# Altium PCB mantarray_beta2_sensor_arrayed.PcbDoc (part 10 of 14)
Units mil, origin at the board's own origin, x right, y up, seen from the top; angles counter-clockwise.
Board outline 6232.47 x 10167.51 mil, 8 copper layers (Layer1_Top, Layer2_sig1, Layer3_AVDD_PLANE, Layer4_GND_PLANE, Layer5_DVDD_PLANE, Layer6_BUS, Layer7_sig2, Layer8_BOT), stack 50.224 mil thick; 470 components, 492 nets, 4650 pads, 3798 vias.
Unrouted connection lines stored in the file: 3.
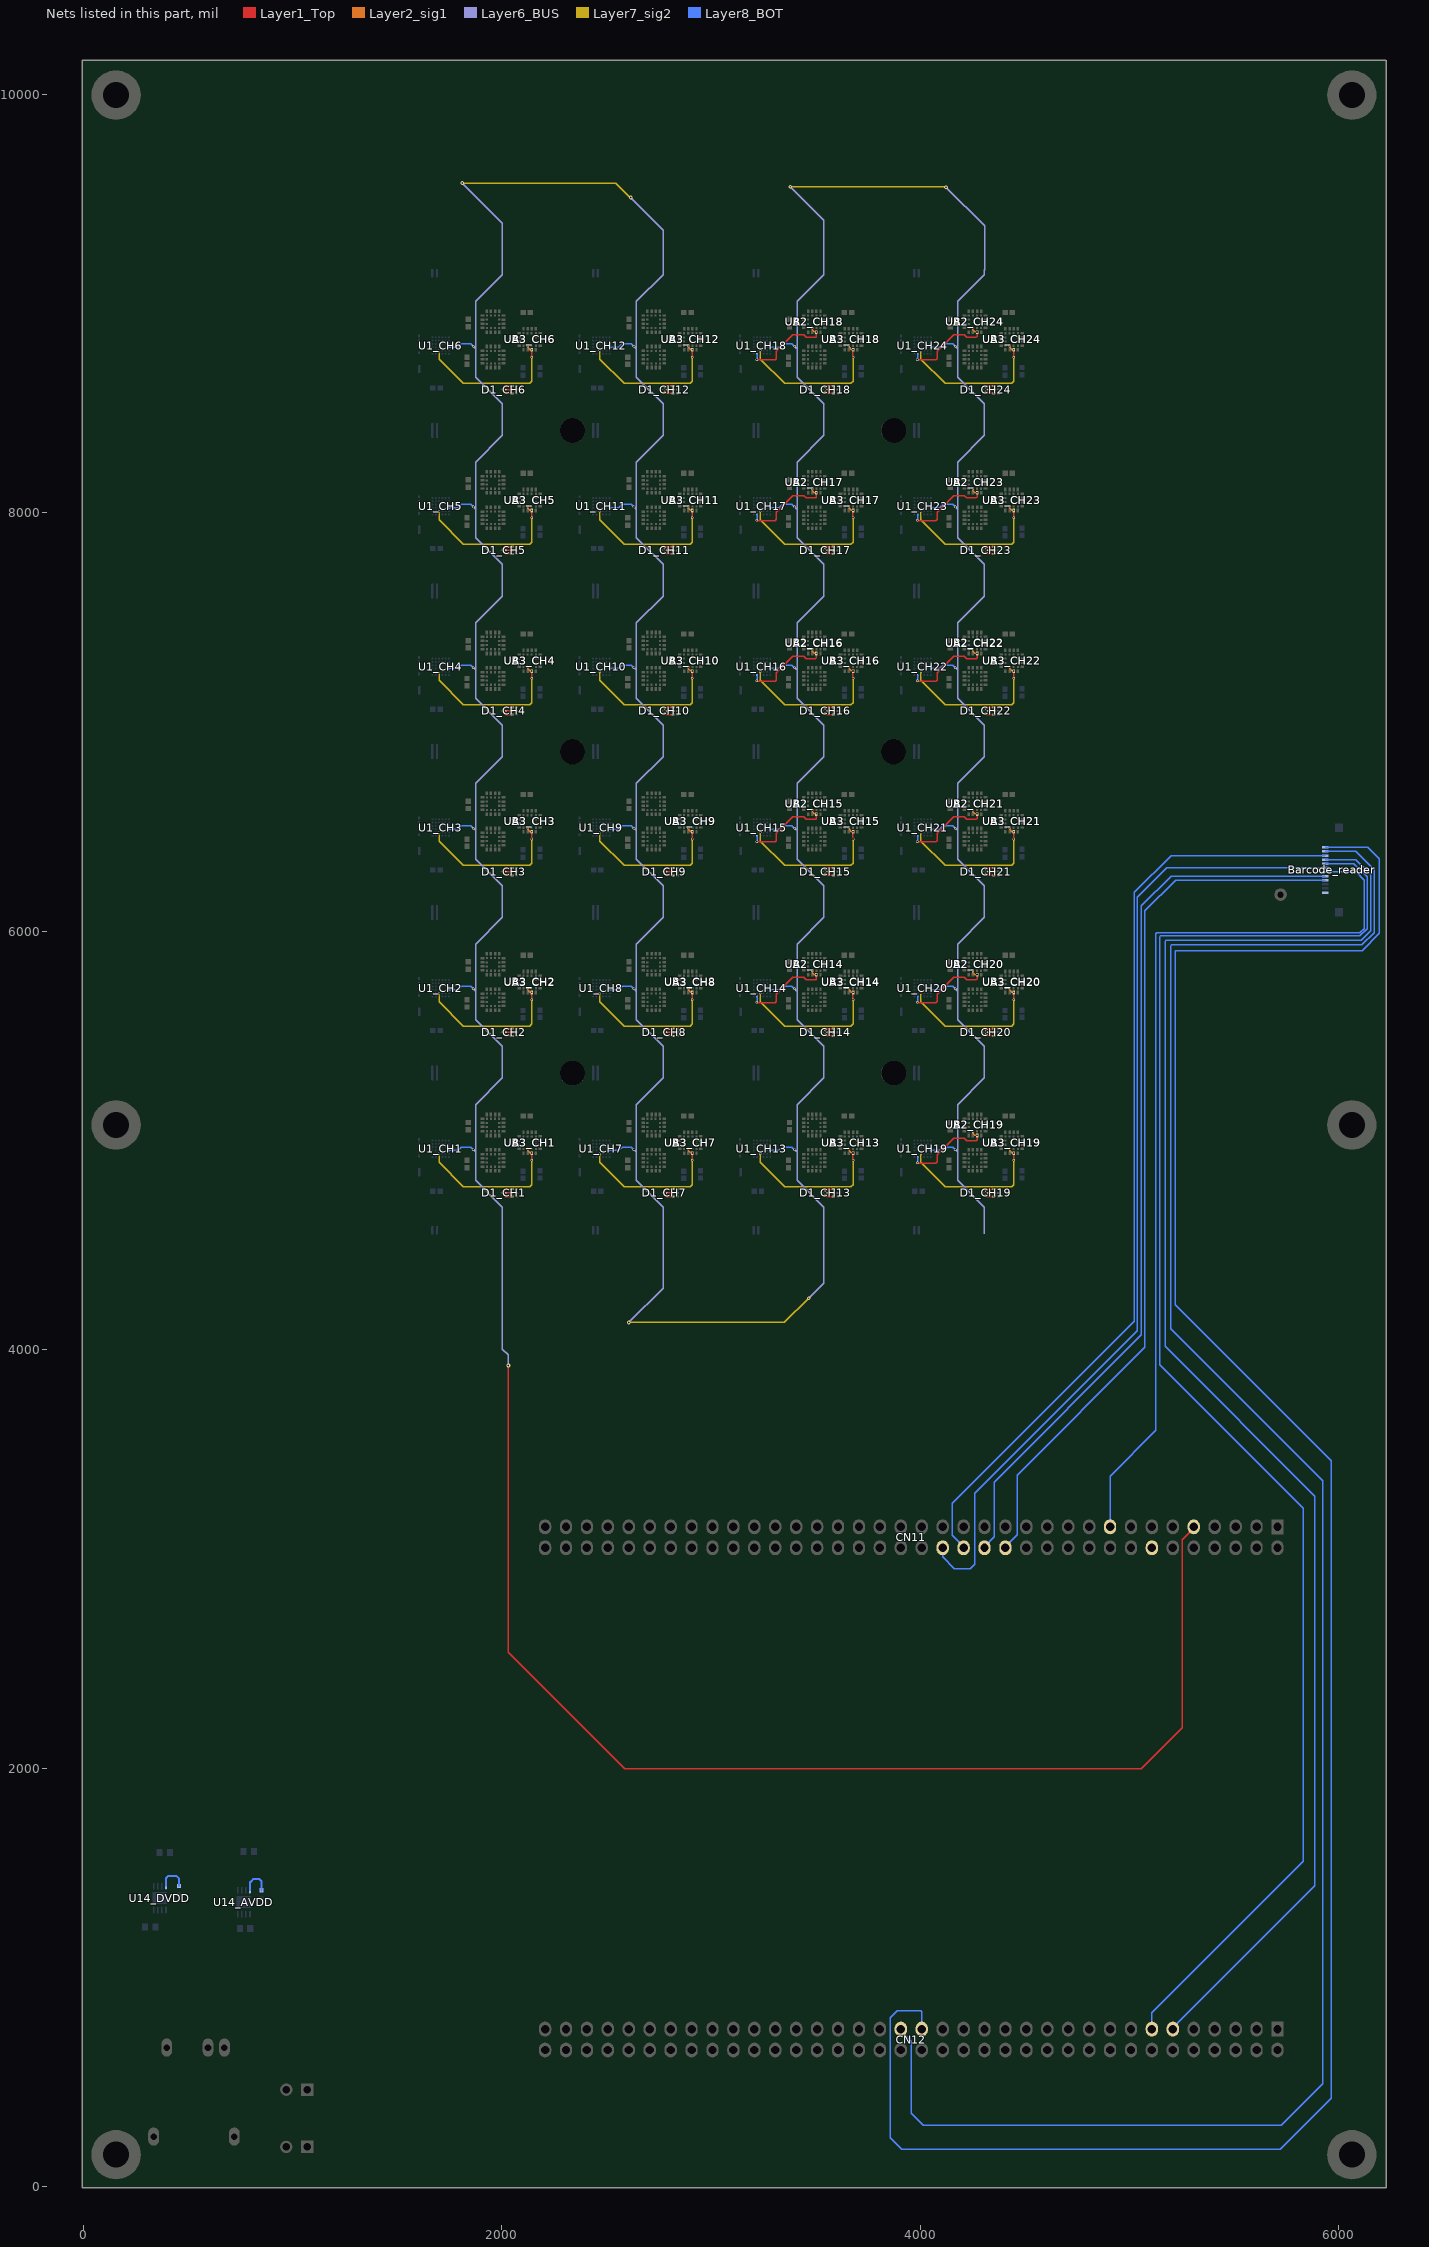
[diagram p16: the nets of this part, all layers, seen from the top]

## Via types
v1: diameter 12/12/12/12/12 (per signal layer), hole 7.87, Layer1_Top to Layer8_BOT, 2208 vias
v2: diameter 32, hole 20, Layer1_Top to Layer8_BOT, 815 vias
v3: diameter 10/10/10/10/10 (per signal layer), hole 7.87, Layer1_Top to Layer8_BOT, 456 vias
v4: diameter 18, hole 8, Layer6_BUS to Layer7_sig2, 102 vias
v5: diameter 10/10 (per signal layer), hole 7.87, Layer7_sig2 to Layer8_BOT, 96 vias
v6: diameter 18, hole 16, Layer1_Top to Layer8_BOT, 57 vias
v7: diameter 12, hole 7.87, Layer1_Top to Layer8_BOT, 26 vias
v8: diameter 18, hole 8, Layer1_Top to Layer8_BOT, 17 vias
v9: diameter 32, hole 16, Layer1_Top to Layer8_BOT, 10 vias
v10: diameter 19.68, hole 7.87, Layer1_Top to Layer8_BOT, 4 vias
v11: diameter 30, hole 20, Layer1_Top to Layer8_BOT, 3 vias
v12: diameter 70.87, hole 47.24, Layer1_Top to Layer8_BOT, 2 vias
v13: diameter 20, hole 16, Layer3_AVDD_PLANE to Layer8_BOT, 1 vias
v14: diameter 20, hole 16, Layer5_DVDD_PLANE to Layer8_BOT, 1 vias

## Nets (pads, with @x,y where several pads share a name; then routed paths per layer and width w, separated by ;. In a path a pad name is that pad's centre, name@x,y a point inside that pad or via, vN(x,y) a via of type N, cw(c..) or ccw(c..) an arc to the next point about the centre after c; other vN are vias at no path point) (continued)
mag_int_B_CH14: U1_CH14.F5 UA2_CH14.8 UB2_CH14.15 | length 447.9
  Layer1_Top w6: v1(3218.5,5661.42) 3219.62,5660.31 3223.72,5660.31 3224.58,5659.45 3307.09,5659.45 3312.99,5665.35 3312.99,5700.37 3392.15,5779.53 3442.91,5779.53 3454.72,5767.72 3500.42,5767.72 3503.94,5771.23 v1(3503.94,5793.31) ; UA2_CH14.8@3484.25,5812.21 v1(3484.25,5813.1)
  Layer2_sig1 w6: v1(3484.25,5813.1) 3484.25,5803.15 3494.09,5793.31 v1(3503.94,5793.31)
  Layer8_BOT w6: v1(3218.5,5661.42) 3218.5,5662.99 3220.47,5664.96 U1_CH14.F5@3220.47,5688.98
mag_int_B_CH15: U1_CH15.F5 UA2_CH15.8 UB2_CH15.15 | length 447.9
  Layer1_Top w6: v1(3218.5,6429.13) 3219.62,6428.02 3223.72,6428.02 3224.58,6427.17 3307.09,6427.17 3312.99,6433.07 3312.99,6468.08 3392.15,6547.24 3442.91,6547.24 3454.72,6535.43 3500.42,6535.43 3503.94,6538.95 v1(3503.94,6561.02) ; UA2_CH15.8@3484.25,6579.93 v1(3484.25,6580.81)
  Layer2_sig1 w6: v1(3484.25,6580.81) 3484.25,6570.87 3494.09,6561.02 v1(3503.94,6561.02)
  Layer8_BOT w6: v1(3218.5,6429.13) 3218.5,6430.71 3220.47,6432.67 U1_CH15.F5@3220.47,6456.69
mag_int_B_CH16: U1_CH16.F5 UA2_CH16.8 UB2_CH16.15 | length 447.9
  Layer1_Top w6: v1(3218.5,7196.85) 3219.62,7195.74 3223.72,7195.74 3224.58,7194.88 3307.09,7194.88 3312.99,7200.79 3312.99,7235.8 3392.15,7314.96 3442.91,7314.96 3454.72,7303.15 3500.42,7303.15 3503.94,7306.66 v1(3503.94,7328.74) ; UA2_CH16.8@3484.25,7347.65 v1(3484.25,7348.53)
  Layer2_sig1 w6: v1(3484.25,7348.53) 3484.25,7338.58 3494.09,7328.74 v1(3503.94,7328.74)
  Layer8_BOT w6: v1(3218.5,7196.85) 3218.5,7198.42 3220.47,7200.39 U1_CH16.F5@3220.47,7224.41
mag_int_B_CH17: U1_CH17.F5 UA2_CH17.8 UB2_CH17.15 | length 447.9
  Layer1_Top w6: v1(3218.5,7964.57) 3219.62,7963.46 3223.72,7963.46 3224.58,7962.6 3307.09,7962.6 3312.99,7968.5 3312.99,8003.52 3392.15,8082.68 3442.91,8082.68 3454.72,8070.87 3500.42,8070.87 3503.94,8074.38 v1(3503.94,8096.46) ; UA2_CH17.8@3484.25,8115.36 v1(3484.25,8116.25)
  Layer2_sig1 w6: v1(3484.25,8116.25) 3484.25,8106.3 3494.09,8096.46 v1(3503.94,8096.46)
  Layer8_BOT w6: v1(3218.5,7964.57) 3218.5,7966.14 3220.47,7968.11 U1_CH17.F5@3220.47,7992.13
mag_int_B_CH18: U1_CH18.F5 UA2_CH18.8 UB2_CH18.15 | length 447.9
  Layer1_Top w6: v1(3218.5,8732.28) 3219.62,8731.17 3223.72,8731.17 3224.58,8730.31 3307.09,8730.31 3312.99,8736.22 3312.99,8771.23 3392.15,8850.39 3442.91,8850.39 3454.72,8838.58 3500.42,8838.58 3503.94,8842.1 v1(3503.94,8864.17) ; UA2_CH18.8@3484.25,8883.08 v1(3484.25,8883.96)
  Layer2_sig1 w6: v1(3484.25,8883.96) 3484.25,8874.02 3494.09,8864.17 v1(3503.94,8864.17)
  Layer8_BOT w6: v1(3218.5,8732.28) 3218.5,8733.86 3220.47,8735.82 U1_CH18.F5@3220.47,8759.84
mag_int_B_CH19: U1_CH19.F5 UA2_CH19.8 UB2_CH19.15 | length 447.9
  Layer1_Top w6: v1(3986.22,4893.7) 3987.33,4892.59 3991.44,4892.59 3992.3,4891.73 4074.8,4891.73 4080.71,4897.64 4080.71,4932.65 4159.87,5011.81 4210.63,5011.81 4222.44,5000 4268.14,5000 4271.65,5003.51 v1(4271.65,5025.59) ; UA2_CH19.8@4251.97,5044.5 v1(4251.97,5045.38)
  Layer2_sig1 w6: v1(4251.97,5045.38) 4251.97,5035.43 4261.81,5025.59 v1(4271.65,5025.59)
  Layer8_BOT w6: v1(3986.22,4893.7) 3986.22,4895.27 3988.19,4897.24 U1_CH19.F5@3988.19,4921.26
mag_int_B_CH20: U1_CH20.F5 UA2_CH20.8 UB2_CH20.15 | length 447.9
  Layer1_Top w6: v1(3986.22,5661.42) 3987.33,5660.31 3991.44,5660.31 3992.3,5659.45 4074.8,5659.45 4080.71,5665.35 4080.71,5700.37 4159.87,5779.53 4210.63,5779.53 4222.44,5767.72 4268.14,5767.72 4271.65,5771.23 v1(4271.65,5793.31) ; UA2_CH20.8@4251.97,5812.21 v1(4251.97,5813.1)
  Layer2_sig1 w6: v1(4251.97,5813.1) 4251.97,5803.15 4261.81,5793.31 v1(4271.65,5793.31)
  Layer8_BOT w6: v1(3986.22,5661.42) 3986.22,5662.99 3988.19,5664.96 U1_CH20.F5@3988.19,5688.98
mag_int_B_CH21: U1_CH21.F5 UA2_CH21.8 UB2_CH21.15 | length 447.9
  Layer1_Top w6: v1(3986.22,6429.13) 3987.33,6428.02 3991.44,6428.02 3992.3,6427.17 4074.8,6427.17 4080.71,6433.07 4080.71,6468.08 4159.87,6547.24 4210.63,6547.24 4222.44,6535.43 4268.14,6535.43 4271.65,6538.95 v1(4271.65,6561.02) ; UA2_CH21.8@4251.97,6579.93 v1(4251.97,6580.81)
  Layer2_sig1 w6: v1(4251.97,6580.81) 4251.97,6570.87 4261.81,6561.02 v1(4271.65,6561.02)
  Layer8_BOT w6: v1(3986.22,6429.13) 3986.22,6430.71 3988.19,6432.67 U1_CH21.F5@3988.19,6456.69
mag_int_B_CH22: U1_CH22.F5 UA2_CH22.8 UB2_CH22.15 | length 447.9
  Layer1_Top w6: v1(3986.22,7196.85) 3987.33,7195.74 3991.44,7195.74 3992.3,7194.88 4074.8,7194.88 4080.71,7200.79 4080.71,7235.8 4159.87,7314.96 4210.63,7314.96 4222.44,7303.15 4268.14,7303.15 4271.65,7306.66 v1(4271.65,7328.74) ; UA2_CH22.8@4251.97,7347.65 v1(4251.97,7348.53)
  Layer2_sig1 w6: v1(4251.97,7348.53) 4251.97,7338.58 4261.81,7328.74 v1(4271.65,7328.74)
  Layer8_BOT w6: v1(3986.22,7196.85) 3986.22,7198.42 3988.19,7200.39 U1_CH22.F5@3988.19,7224.41
mag_int_B_CH23: U1_CH23.F5 UA2_CH23.8 UB2_CH23.15 | length 447.9
  Layer1_Top w6: v1(3986.22,7964.57) 3987.33,7963.46 3991.44,7963.46 3992.3,7962.6 4074.8,7962.6 4080.71,7968.5 4080.71,8003.52 4159.87,8082.68 4210.63,8082.68 4222.44,8070.87 4268.14,8070.87 4271.65,8074.38 v1(4271.65,8096.46) ; UA2_CH23.8@4251.97,8115.36 v1(4251.97,8116.25)
  Layer2_sig1 w6: v1(4251.97,8116.25) 4251.97,8106.3 4261.81,8096.46 v1(4271.65,8096.46)
  Layer8_BOT w6: v1(3986.22,7964.57) 3986.22,7966.14 3988.19,7968.11 U1_CH23.F5@3988.19,7992.13
mag_int_B_CH24: U1_CH24.F5 UA2_CH24.8 UB2_CH24.15 | length 447.9
  Layer1_Top w6: v1(3986.22,8732.28) 3987.33,8731.17 3991.44,8731.17 3992.3,8730.31 4074.8,8730.31 4080.71,8736.22 4080.71,8771.23 4159.87,8850.39 4210.63,8850.39 4222.44,8838.58 4268.14,8838.58 4271.65,8842.1 v1(4271.65,8864.17) ; UA2_CH24.8@4251.97,8883.08 v1(4251.97,8883.96)
  Layer2_sig1 w6: v1(4251.97,8883.96) 4251.97,8874.02 4261.81,8864.17 v1(4271.65,8864.17)
  Layer8_BOT w6: v1(3986.22,8732.28) 3986.22,8733.86 3988.19,8735.82 U1_CH24.F5@3988.19,8759.84
mag_int_C_CH1: U1_CH1.E4 UA3_CH1.8 UB3_CH1.15 | length 720.3
  Layer1_Top w6: v1@2143.41,4907.19 UB3_CH1.15@2143.41,4940.37
  Layer2_sig1 w6: v1(2124.02,4960.63) 2124.51,4960.13 2124.51,4952.05 2135.12,4941.44 2143.2,4941.44 v1(2143.7,4940.94)
  Layer7_sig2 w6: v5(1700.79,4937.01) 1700.79,4895.67 1816.93,4779.53 2133.86,4779.53 2143.7,4789.37 v1(2143.7,4905.51) v1@2143.7,4907.48
mag_int_C_CH2: U1_CH2.E4 UA3_CH2.8 UB3_CH2.15 | length 720.3
  Layer1_Top w6: v1@2143.41,5674.91 UB3_CH2.15@2143.41,5708.09
  Layer2_sig1 w6: v1(2124.02,5728.35) 2124.51,5727.85 2124.51,5719.76 2135.12,5709.16 2143.2,5709.16 v1(2143.7,5708.66)
  Layer7_sig2 w6: v5(1700.79,5704.72) 1700.79,5663.39 1816.93,5547.24 2133.86,5547.24 2143.7,5557.09 v1(2143.7,5673.23) v1@2143.7,5675.2
mag_int_C_CH3: U1_CH3.E4 UA3_CH3.8 UB3_CH3.15 | length 720.3
  Layer1_Top w6: v1@2143.41,6442.63 UB3_CH3.15@2143.41,6475.8
  Layer2_sig1 w6: v1(2124.02,6496.06) 2124.51,6495.57 2124.51,6487.48 2135.12,6476.88 2143.2,6476.88 v1(2143.7,6476.38)
  Layer7_sig2 w6: v5(1700.79,6472.44) 1700.79,6431.1 1816.93,6314.96 2133.86,6314.96 2143.7,6324.8 v1(2143.7,6440.94) v1@2143.7,6442.91
mag_int_C_CH4: U1_CH4.E4 UA3_CH4.8 UB3_CH4.15 | length 720.3
  Layer1_Top w6: v1@2143.41,7210.34 UB3_CH4.15@2143.41,7243.52
  Layer2_sig1 w6: v1(2124.02,7263.78) 2124.51,7263.28 2124.51,7255.2 2135.12,7244.59 2143.2,7244.59 v1(2143.7,7244.09)
  Layer7_sig2 w6: v5(1700.79,7240.16) 1700.79,7198.82 1816.93,7082.68 2133.86,7082.68 2143.7,7092.52 v1(2143.7,7208.66) v1@2143.7,7210.63
mag_int_C_CH5: U1_CH5.E4 UA3_CH5.8 UB3_CH5.15 | length 720.3
  Layer1_Top w6: v1@2143.41,7978.06 UB3_CH5.15@2143.41,8011.24
  Layer2_sig1 w6: v1(2124.02,8031.5) 2124.51,8031 2124.51,8022.91 2135.12,8012.31 2143.2,8012.31 v1(2143.7,8011.81)
  Layer7_sig2 w6: v5(1700.79,8007.87) 1700.79,7966.54 1816.93,7850.39 2133.86,7850.39 2143.7,7860.24 v1(2143.7,7976.38) v1@2143.7,7978.35
mag_int_C_CH6: U1_CH6.E4 UA3_CH6.8 UB3_CH6.15 | length 720.3
  Layer1_Top w6: v1@2143.41,8745.78 UB3_CH6.15@2143.41,8778.95
  Layer2_sig1 w6: v1(2124.02,8799.21) 2124.51,8798.72 2124.51,8790.63 2135.12,8780.02 2143.2,8780.02 v1(2143.7,8779.53)
  Layer7_sig2 w6: v5(1700.79,8775.59) 1700.79,8734.25 1816.93,8618.11 2133.86,8618.11 2143.7,8627.95 v1(2143.7,8744.09) v1@2143.7,8746.06
mag_int_C_CH7: U1_CH7.E4 UA3_CH7.8 UB3_CH7.15 | length 720.3
  Layer1_Top w6: v1@2911.13,4907.19 UB3_CH7.15@2911.13,4940.37
  Layer2_sig1 w6: v1(2891.73,4960.63) 2892.23,4960.13 2892.23,4952.05 2902.84,4941.44 2910.92,4941.44 v1(2911.42,4940.94)
  Layer7_sig2 w6: v5(2468.5,4937.01) 2468.5,4895.67 2584.65,4779.53 2901.57,4779.53 2911.42,4789.37 v1(2911.42,4905.51) v1@2911.42,4907.48
mag_int_C_CH8: U1_CH8.E4 UA3_CH8.8 UB3_CH8.15 | length 720.3
  Layer1_Top w6: v1@2911.13,5674.91 UB3_CH8.15@2911.13,5708.09
  Layer2_sig1 w6: v1(2891.73,5728.35) 2892.23,5727.85 2892.23,5719.76 2902.84,5709.16 2910.92,5709.16 v1(2911.42,5708.66)
  Layer7_sig2 w6: v5(2468.5,5704.72) 2468.5,5663.39 2584.65,5547.24 2901.57,5547.24 2911.42,5557.09 v1(2911.42,5673.23) v1@2911.42,5675.2
mag_int_C_CH9: U1_CH9.E4 UA3_CH9.8 UB3_CH9.15 | length 720.3
  Layer1_Top w6: v1@2911.13,6442.63 UB3_CH9.15@2911.13,6475.8
  Layer2_sig1 w6: v1(2891.73,6496.06) 2892.23,6495.57 2892.23,6487.48 2902.84,6476.88 2910.92,6476.88 v1(2911.42,6476.38)
  Layer7_sig2 w6: v5(2468.5,6472.44) 2468.5,6431.1 2584.65,6314.96 2901.57,6314.96 2911.42,6324.8 v1(2911.42,6440.94) v1@2911.42,6442.91
mag_int_C_CH10: U1_CH10.E4 UA3_CH10.8 UB3_CH10.15 | length 720.3
  Layer1_Top w6: v1@2911.13,7210.34 UB3_CH10.15@2911.13,7243.52
  Layer2_sig1 w6: v1(2891.73,7263.78) 2892.23,7263.28 2892.23,7255.2 2902.84,7244.59 2910.92,7244.59 v1(2911.42,7244.09)
  Layer7_sig2 w6: v5(2468.5,7240.16) 2468.5,7198.82 2584.65,7082.68 2901.57,7082.68 2911.42,7092.52 v1(2911.42,7208.66) v1@2911.42,7210.63
mag_int_C_CH11: U1_CH11.E4 UA3_CH11.8 UB3_CH11.15 | length 720.3
  Layer1_Top w6: v1@2911.13,7978.06 UB3_CH11.15@2911.13,8011.24
  Layer2_sig1 w6: v1(2891.73,8031.5) 2892.23,8031 2892.23,8022.91 2902.84,8012.31 2910.92,8012.31 v1(2911.42,8011.81)
  Layer7_sig2 w6: v5(2468.5,8007.87) 2468.5,7966.54 2584.65,7850.39 2901.57,7850.39 2911.42,7860.24 v1(2911.42,7976.38) v1@2911.42,7978.35
mag_int_C_CH12: U1_CH12.E4 UA3_CH12.8 UB3_CH12.15 | length 720.3
  Layer1_Top w6: v1@2911.13,8745.78 UB3_CH12.15@2911.13,8778.95
  Layer2_sig1 w6: v1(2891.73,8799.21) 2892.23,8798.72 2892.23,8790.63 2902.84,8780.02 2910.92,8780.02 v1(2911.42,8779.53)
  Layer7_sig2 w6: v5(2468.5,8775.59) 2468.5,8734.25 2584.65,8618.11 2901.57,8618.11 2911.42,8627.95 v1(2911.42,8744.09) v1@2911.42,8746.06
mag_int_C_CH13: U1_CH13.E4 UA3_CH13.8 UB3_CH13.15 | length 720.3
  Layer1_Top w6: v1@3678.85,4907.19 UB3_CH13.15@3678.85,4940.37
  Layer2_sig1 w6: v1(3659.45,4960.63) 3659.95,4960.13 3659.95,4952.05 3670.55,4941.44 3678.64,4941.44 v1(3679.13,4940.94)
  Layer7_sig2 w6: v5(3236.22,4937.01) 3236.22,4895.67 3352.36,4779.53 3669.29,4779.53 3679.13,4789.37 v1(3679.13,4905.51) v1@3679.13,4907.48
mag_int_C_CH14: U1_CH14.E4 UA3_CH14.8 UB3_CH14.15 | length 720.3
  Layer1_Top w6: v1@3678.85,5674.91 UB3_CH14.15@3678.85,5708.09
  Layer2_sig1 w6: v1(3659.45,5728.35) 3659.95,5727.85 3659.95,5719.76 3670.55,5709.16 3678.64,5709.16 v1(3679.13,5708.66)
  Layer7_sig2 w6: v5(3236.22,5704.72) 3236.22,5663.39 3352.36,5547.24 3669.29,5547.24 3679.13,5557.09 v1(3679.13,5673.23) v1@3679.13,5675.2
mag_int_C_CH15: U1_CH15.E4 UA3_CH15.8 UB3_CH15.15 | length 720.3
  Layer1_Top w6: v1@3678.85,6442.63 UB3_CH15.15@3678.85,6475.8
  Layer2_sig1 w6: v1(3659.45,6496.06) 3659.95,6495.57 3659.95,6487.48 3670.55,6476.88 3678.64,6476.88 v1(3679.13,6476.38)
  Layer7_sig2 w6: v5(3236.22,6472.44) 3236.22,6431.1 3352.36,6314.96 3669.29,6314.96 3679.13,6324.8 v1(3679.13,6440.94) v1@3679.13,6442.91
mag_int_C_CH16: U1_CH16.E4 UA3_CH16.8 UB3_CH16.15 | length 720.3
  Layer1_Top w6: v1@3678.85,7210.34 UB3_CH16.15@3678.85,7243.52
  Layer2_sig1 w6: v1(3659.45,7263.78) 3659.95,7263.28 3659.95,7255.2 3670.55,7244.59 3678.64,7244.59 v1(3679.13,7244.09)
  Layer7_sig2 w6: v5(3236.22,7240.16) 3236.22,7198.82 3352.36,7082.68 3669.29,7082.68 3679.13,7092.52 v1(3679.13,7208.66) v1@3679.13,7210.63
mag_int_C_CH17: U1_CH17.E4 UA3_CH17.8 UB3_CH17.15 | length 720.3
  Layer1_Top w6: v1@3678.85,7978.06 UB3_CH17.15@3678.85,8011.24
  Layer2_sig1 w6: v1(3659.45,8031.5) 3659.95,8031 3659.95,8022.91 3670.55,8012.31 3678.64,8012.31 v1(3679.13,8011.81)
  Layer7_sig2 w6: v5(3236.22,8007.87) 3236.22,7966.54 3352.36,7850.39 3669.29,7850.39 3679.13,7860.24 v1(3679.13,7976.38) v1@3679.13,7978.35
mag_int_C_CH18: U1_CH18.E4 UA3_CH18.8 UB3_CH18.15 | length 720.3
  Layer1_Top w6: v1@3678.85,8745.78 UB3_CH18.15@3678.85,8778.95
  Layer2_sig1 w6: v1(3659.45,8799.21) 3659.95,8798.72 3659.95,8790.63 3670.55,8780.02 3678.64,8780.02 v1(3679.13,8779.53)
  Layer7_sig2 w6: v5(3236.22,8775.59) 3236.22,8734.25 3352.36,8618.11 3669.29,8618.11 3679.13,8627.95 v1(3679.13,8744.09) v1@3679.13,8746.06
mag_int_C_CH19: U1_CH19.E4 UA3_CH19.8 UB3_CH19.15 | length 720.3
  Layer1_Top w6: v1@4446.56,4907.19 UB3_CH19.15@4446.56,4940.37
  Layer2_sig1 w6: v1(4427.17,4960.63) 4427.66,4960.13 4427.66,4952.05 4438.27,4941.44 4446.35,4941.44 v1(4446.85,4940.94)
  Layer7_sig2 w6: v5(4003.94,4937.01) 4003.94,4895.67 4120.08,4779.53 4437.01,4779.53 4446.85,4789.37 v1(4446.85,4905.51) v1@4446.85,4907.48
mag_int_C_CH20: U1_CH20.E4 UA3_CH20.8 UB3_CH20.15 | length 720.3
  Layer1_Top w6: v1@4446.56,5674.91 UB3_CH20.15@4446.56,5708.09
  Layer2_sig1 w6: v1(4427.17,5728.35) 4427.66,5727.85 4427.66,5719.76 4438.27,5709.16 4446.35,5709.16 v1(4446.85,5708.66)
  Layer7_sig2 w6: v5(4003.94,5704.72) 4003.94,5663.39 4120.08,5547.24 4437.01,5547.24 4446.85,5557.09 v1(4446.85,5673.23) v1@4446.85,5675.2
mag_int_C_CH21: U1_CH21.E4 UA3_CH21.8 UB3_CH21.15 | length 720.3
  Layer1_Top w6: v1@4446.56,6442.63 UB3_CH21.15@4446.56,6475.8
  Layer2_sig1 w6: v1(4427.17,6496.06) 4427.66,6495.57 4427.66,6487.48 4438.27,6476.88 4446.35,6476.88 v1(4446.85,6476.38)
  Layer7_sig2 w6: v5(4003.94,6472.44) 4003.94,6431.1 4120.08,6314.96 4437.01,6314.96 4446.85,6324.8 v1(4446.85,6440.94) v1@4446.85,6442.91
mag_int_C_CH22: U1_CH22.E4 UA3_CH22.8 UB3_CH22.15 | length 720.3
  Layer1_Top w6: v1@4446.56,7210.34 UB3_CH22.15@4446.56,7243.52
  Layer2_sig1 w6: v1(4427.17,7263.78) 4427.66,7263.28 4427.66,7255.2 4438.27,7244.59 4446.35,7244.59 v1(4446.85,7244.09)
  Layer7_sig2 w6: v5(4003.94,7240.16) 4003.94,7198.82 4120.08,7082.68 4437.01,7082.68 4446.85,7092.52 v1(4446.85,7208.66) v1@4446.85,7210.63
mag_int_C_CH23: U1_CH23.E4 UA3_CH23.8 UB3_CH23.15 | length 720.3
  Layer1_Top w6: v1@4446.56,7978.06 UB3_CH23.15@4446.56,8011.24
  Layer2_sig1 w6: v1(4427.17,8031.5) 4427.66,8031 4427.66,8022.91 4438.27,8012.31 4446.35,8012.31 v1(4446.85,8011.81)
  Layer7_sig2 w6: v5(4003.94,8007.87) 4003.94,7966.54 4120.08,7850.39 4437.01,7850.39 4446.85,7860.24 v1(4446.85,7976.38) v1@4446.85,7978.35
mag_int_C_CH24: U1_CH24.E4 UA3_CH24.8 UB3_CH24.15 | length 720.3
  Layer1_Top w6: v1@4446.56,8745.78 UB3_CH24.15@4446.56,8778.95
  Layer2_sig1 w6: v1(4427.17,8799.21) 4427.66,8798.72 4427.66,8790.63 4438.27,8780.02 4446.35,8780.02 v1(4446.85,8779.53)
  Layer7_sig2 w6: v5(4003.94,8775.59) 4003.94,8734.25 4120.08,8618.11 4437.01,8618.11 4446.85,8627.95 v1(4446.85,8744.09) v1@4446.85,8746.06
MDC_BOOT: Barcode_reader.12
MDC_BUZZ: Barcode_reader.4 CN12.11 | length 7296
  Layer8_BOT w6: CN12.11@5207.48,753.94 5207.48,759.84 5885.83,1438.19 5885.83,3301.18 5170.7,4016.31 5170.7,5953.18 5174.21,5956.69 6108.27,5956.69 6153.54,6001.97 6153.54,6271.65 6082.68,6342.52 Barcode_reader.4@5936.08,6342.52